# Altium PCB ir-24v-shit5-7-v2.PcbDoc (part 5 of 5)
Units mm, origin at the board's own origin, x right, y up, seen from the top; angles counter-clockwise.
Board outline 326.8 x 258 mm, 2 copper layers (Top Layer, Bottom Layer); 1008 components, 31 nets, 2786 pads, 0 vias.
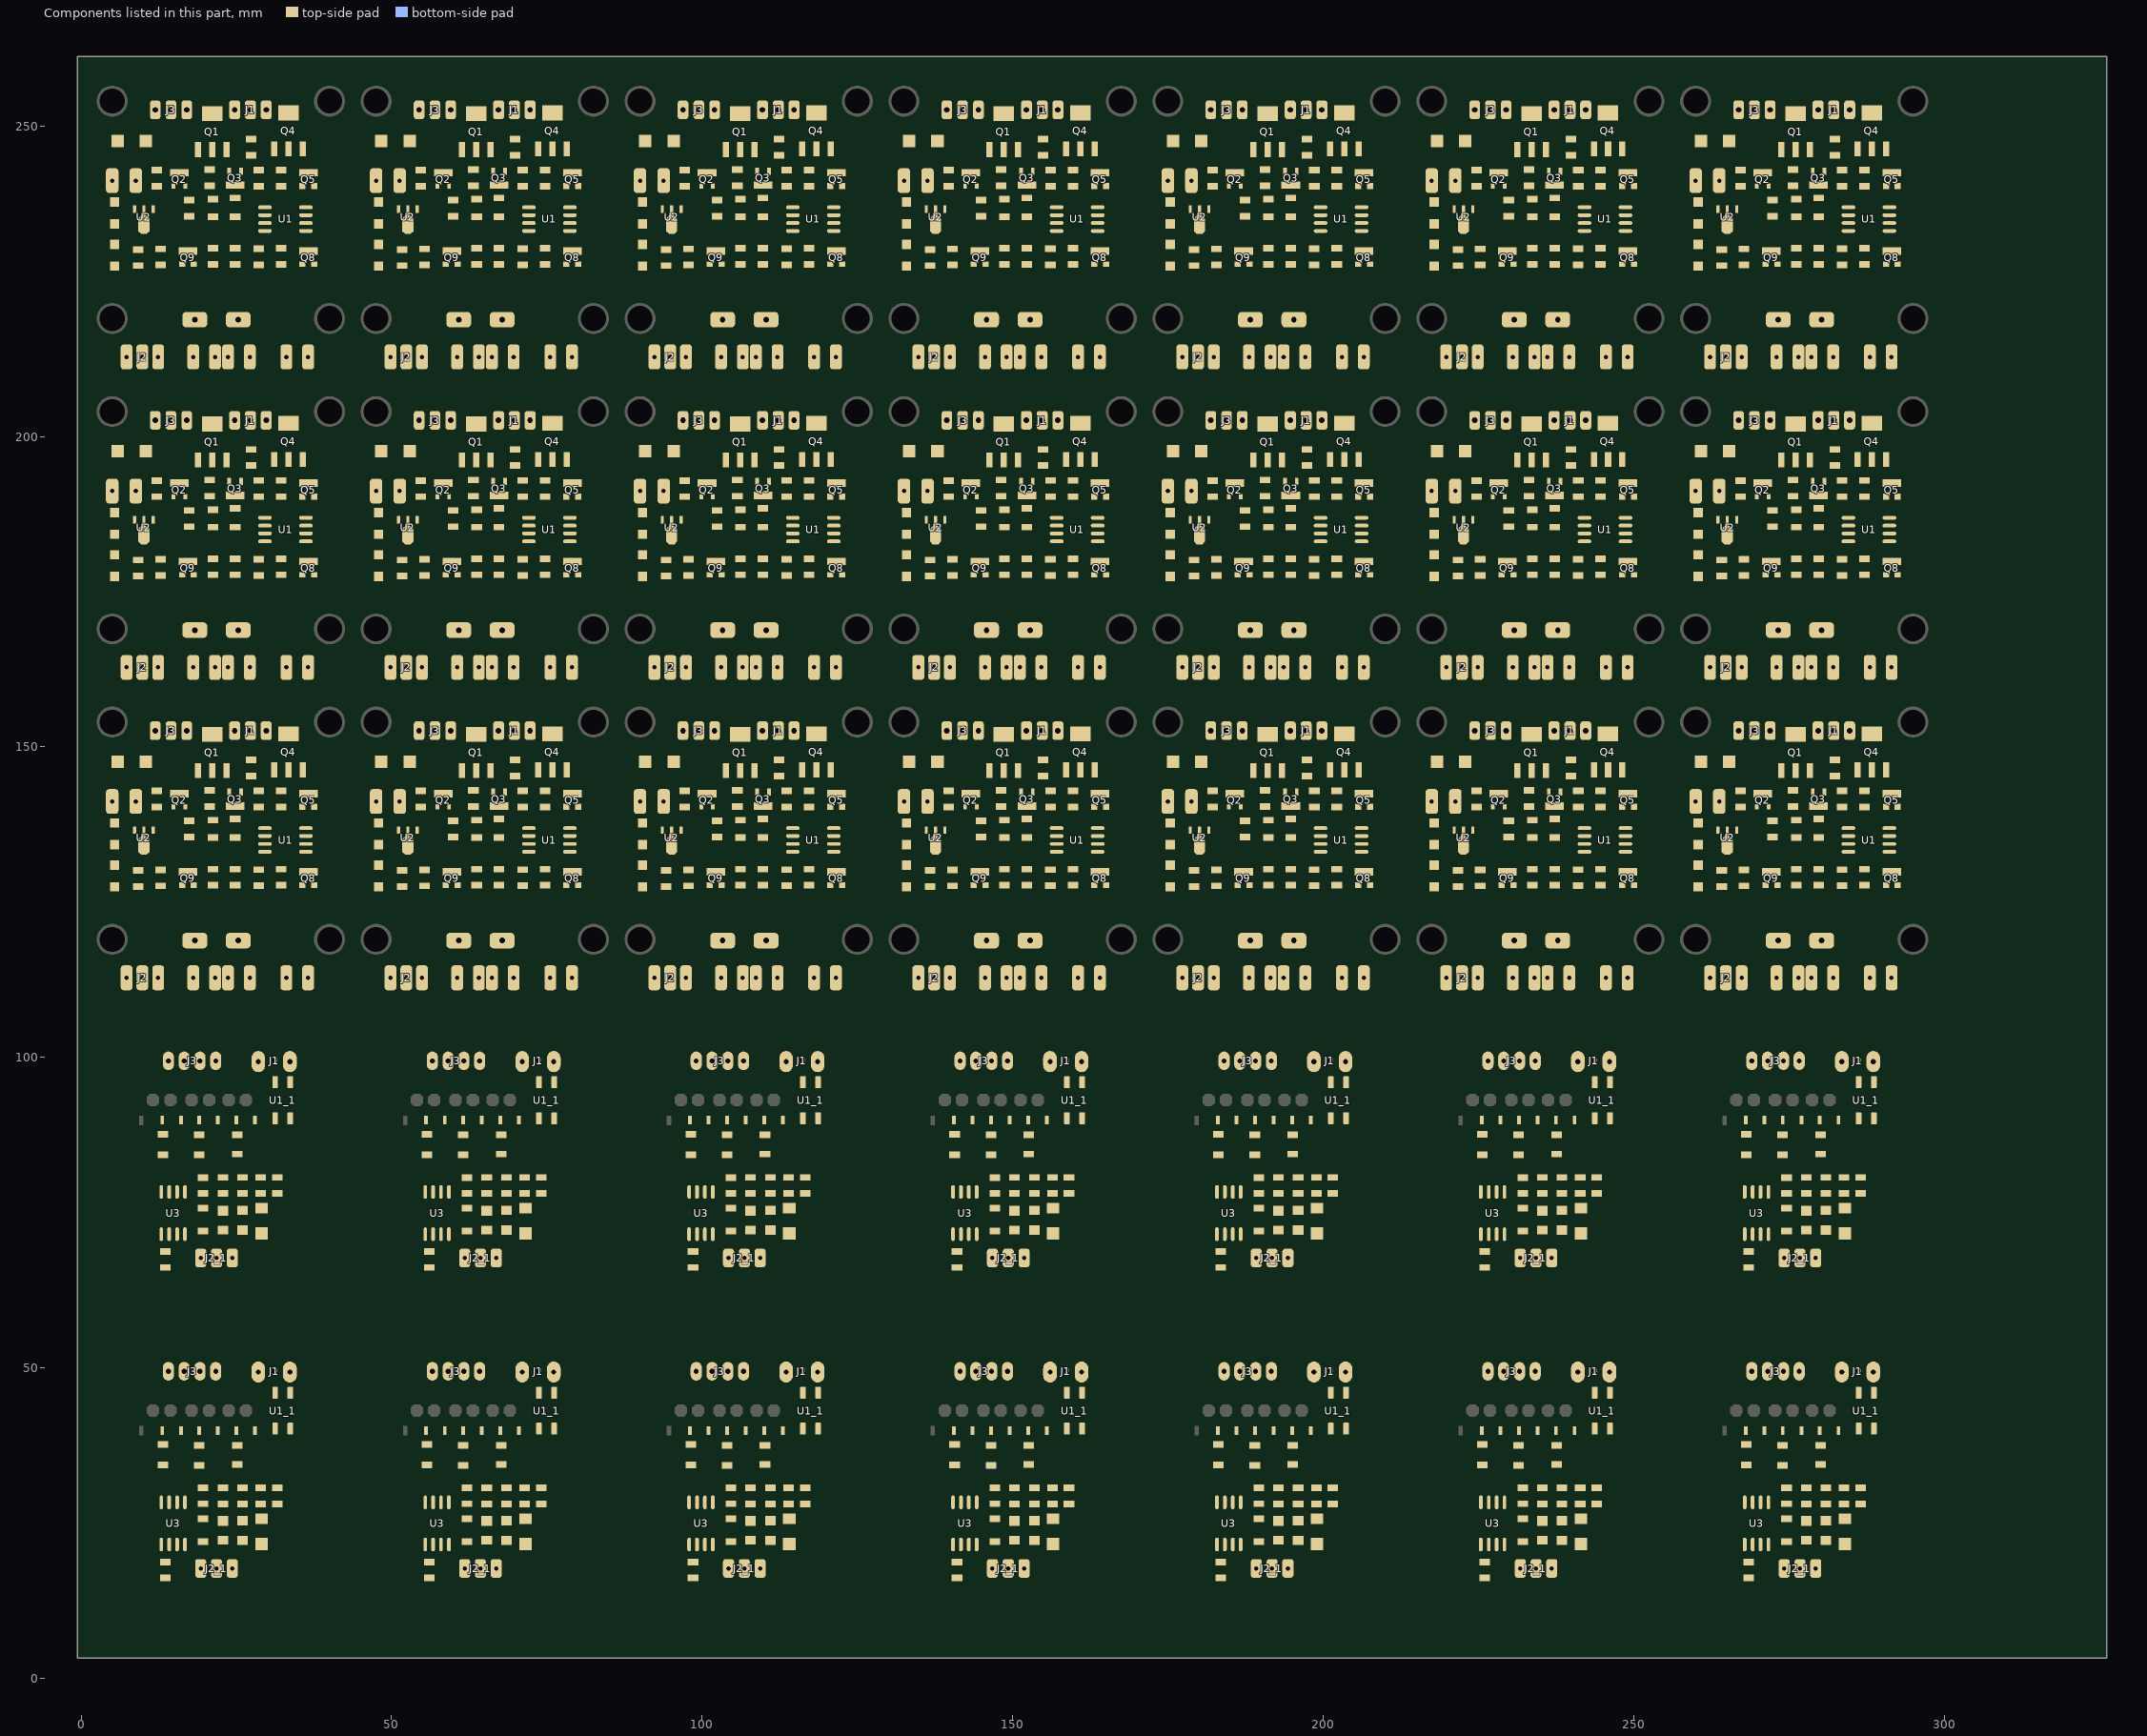
[diagram p5: the components of this part, seen from the top]

## Nets (pads, with @x,y where several pads share a name; then routed paths per layer and width w, separated by ;. In a path a pad name is that pad's centre, name@x,y a point inside that pad or via, vN(x,y) a via of type N, cw(c..) or ccw(c..) an arc to the next point about the centre after c; other vN are vias at no path point) (continued)
copper on no net: (continued)
  Top Layer w1: 9.352,35.963 9.352,28.602 9.352,15.648 10.241,14.759 21.798,14.759 ; 9.352,85.963 9.352,78.602 9.352,65.648 10.241,64.759 21.798,64.759 ; 17,151.54 17,149.861 17.586,149.276 25.476,149.276 26.905,150.705 26.905,152.245 27.26,152.6 ; 17,201.54 17,199.861 17.586,199.276 25.476,199.276 26.905,200.705 26.905,202.245 27.26,202.6 ; 17,251.54 17,249.861 17.586,249.276 25.476,249.276 26.905,250.705 26.905,252.245 27.26,252.6 ; 19.385,21.998 19.639,21.998 21.798,21.998 ; 19.385,71.998 19.639,71.998 21.798,71.998 ; 19.639,25.681 19.639,28.069 ; 19.639,30.634 19.964,30.634 19.989,30.659 22.814,30.659 25.989,30.659 28.91,30.659 31.196,30.659 ; 19.639,75.681 19.639,78.069 ; 19.639,80.634 19.964,80.634 19.989,80.659 22.814,80.659 25.989,80.659 28.91,80.659 31.196,80.659 ; 22.026,49.303 24.211,49.303 31.196,42.318 31.196,40.225 31.241,40.18 31.241,30.684 31.266,30.659 31.577,30.659 ; 22.026,99.303 24.211,99.303 31.196,92.318 31.196,90.225 31.241,90.18 31.241,80.684 31.266,80.659 31.577,80.659 ; 22.306,21.998 21.798,21.998 ; 22.306,71.998 21.798,71.998 ; 22.814,22.196 23.012,21.998 25.815,21.998 25.989,22.172 26.163,21.998 28.021,21.998 28.529,21.49 ; 22.814,25.3 22.84,25.326 25.963,25.326 25.989,25.352 28.454,25.352 28.783,25.681 ; 22.814,28.063 25.989,28.063 28.91,28.063 31.425,28.063 ; 22.814,72.196 23.012,71.998 25.815,71.998 25.989,72.172 26.163,71.998 28.021,71.998 28.529,71.49 ; 22.814,75.3 22.84,75.326 25.963,75.326 25.989,75.352 28.454,75.352 28.783,75.681 ; 22.814,78.063 25.989,78.063 28.91,78.063 31.425,78.063 ; 24.338,17.68 24.338,18.053 24.727,18.442 30.434,18.442 31.831,19.839 31.831,28.038 31.806,28.063 31.577,28.063 ; 24.338,67.68 24.338,68.053 24.727,68.442 30.434,68.442 31.831,69.839 31.831,78.038 31.806,78.063 31.577,78.063 ; 29.291,48.668 31.241,46.718 31.241,45.98 ; 29.291,98.668 31.241,96.718 31.241,95.98 ; 29.8,152.6 32.7,152.6 33.4,151.9 ; 29.8,202.6 32.7,202.6 33.4,201.9 ; 29.8,252.6 32.7,252.6 33.4,251.9 ; 33.691,45.98 33.736,46.025 33.736,48.668 ; 33.691,95.98 33.736,96.025 33.736,98.668 ; 33.736,39.725 34.244,39.217 34.244,15.648 33.355,14.759 21.798,14.759 ; 33.736,89.725 34.244,89.217 34.244,65.648 33.355,64.759 21.798,64.759 ; 51.852,35.963 51.852,28.602 51.852,15.648 52.741,14.759 64.298,14.759 ; 51.852,85.963 51.852,78.602 51.852,65.648 52.741,64.759 64.298,64.759 ; 59.5,151.54 59.5,149.861 60.086,149.276 67.976,149.276 69.405,150.705 69.405,152.245 69.76,152.6 ; 59.5,201.54 59.5,199.861 60.086,199.276 67.976,199.276 69.405,200.705 69.405,202.245 69.76,202.6 ; 59.5,251.54 59.5,249.861 60.086,249.276 67.976,249.276 69.405,250.705 69.405,252.245 69.76,252.6 ; 61.885,21.998 62.139,21.998 64.298,21.998 ; 61.885,71.998 62.139,71.998 64.298,71.998 ; 62.139,25.681 62.139,28.069 ; 62.139,30.634 62.464,30.634 62.489,30.659 65.314,30.659 68.489,30.659 71.41,30.659 73.696,30.659 ; 62.139,75.681 62.139,78.069 ; 62.139,80.634 62.464,80.634 62.489,80.659 65.314,80.659 68.489,80.659 71.41,80.659 73.696,80.659 ; 64.526,49.303 66.711,49.303 73.696,42.318 73.696,40.225 73.741,40.18 73.741,30.684 73.766,30.659 74.077,30.659 ; 64.526,99.303 66.711,99.303 73.696,92.318 73.696,90.225 73.741,90.18 73.741,80.684 73.766,80.659 74.077,80.659 ; 64.806,21.998 64.298,21.998 ; 64.806,71.998 64.298,71.998 ; 65.314,22.196 65.512,21.998 68.315,21.998 68.489,22.172 68.663,21.998 70.521,21.998 71.029,21.49 ; 65.314,25.3 65.34,25.326 68.463,25.326 68.489,25.352 70.954,25.352 71.283,25.681 ; 65.314,28.063 68.489,28.063 71.41,28.063 73.925,28.063 ; 65.314,72.196 65.512,71.998 68.315,71.998 68.489,72.172 68.663,71.998 70.521,71.998 71.029,71.49 ; 65.314,75.3 65.34,75.326 68.463,75.326 68.489,75.352 70.954,75.352 71.283,75.681 ; 65.314,78.063 68.489,78.063 71.41,78.063 73.925,78.063 ; 66.838,17.68 66.838,18.053 67.227,18.442 72.934,18.442 74.331,19.839 74.331,28.038 74.306,28.063 74.077,28.063 ; 66.838,67.68 66.838,68.053 67.227,68.442 72.934,68.442 74.331,69.839 74.331,78.038 74.306,78.063 74.077,78.063 ; 71.791,48.668 73.741,46.718 73.741,45.98 ; 71.791,98.668 73.741,96.718 73.741,95.98 ; 72.3,152.6 75.2,152.6 75.9,151.9 ; 72.3,202.6 75.2,202.6 75.9,201.9 ; 72.3,252.6 75.2,252.6 75.9,251.9 ; 76.191,45.98 76.236,46.025 76.236,48.668 ; 76.191,95.98 76.236,96.025 76.236,98.668 ; 76.236,39.725 76.744,39.217 76.744,15.648 75.855,14.759 64.298,14.759 ; 76.236,89.725 76.744,89.217 76.744,65.648 75.855,64.759 64.298,64.759 ; 94.352,35.963 94.352,28.602 94.352,15.648 95.241,14.759 106.798,14.759 ; 94.352,85.963 94.352,78.602 94.352,65.648 95.241,64.759 106.798,64.759 ; 102,151.54 102,149.861 102.586,149.276 110.476,149.276 111.905,150.705 111.905,152.245 112.26,152.6 ; 102,201.54 102,199.861 102.586,199.276 110.476,199.276 111.905,200.705 111.905,202.245 112.26,202.6 ; 102,251.54 102,249.861 102.586,249.276 110.476,249.276 111.905,250.705 111.905,252.245 112.26,252.6 ; 104.385,21.998 104.639,21.998 106.798,21.998 ; 104.385,71.998 104.639,71.998 106.798,71.998 ; 104.639,25.681 104.639,28.069 ; 104.639,30.634 104.964,30.634 104.989,30.659 107.814,30.659 110.989,30.659 113.91,30.659 116.196,30.659 ; 104.639,75.681 104.639,78.069 ; 104.639,80.634 104.964,80.634 104.989,80.659 107.814,80.659 110.989,80.659 113.91,80.659 116.196,80.659 ; 107.026,49.303 109.211,49.303 116.196,42.318 116.196,40.225 116.241,40.18 116.241,30.684 116.266,30.659 116.577,30.659 ; 107.026,99.303 109.211,99.303 116.196,92.318 116.196,90.225 116.241,90.18 116.241,80.684 116.266,80.659 116.577,80.659 ; 107.306,21.998 106.798,21.998 ; 107.306,71.998 106.798,71.998 ; 107.814,22.196 108.012,21.998 110.815,21.998 110.989,22.172 111.163,21.998 113.021,21.998 113.529,21.49 ; 107.814,25.3 107.84,25.326 110.963,25.326 110.989,25.352 113.454,25.352 113.783,25.681 ; 107.814,28.063 110.989,28.063 113.91,28.063 116.425,28.063 ; 107.814,72.196 108.012,71.998 110.815,71.998 110.989,72.172 111.163,71.998 113.021,71.998 113.529,71.49 ; 107.814,75.3 107.84,75.326 110.963,75.326 110.989,75.352 113.454,75.352 113.783,75.681 ; 107.814,78.063 110.989,78.063 113.91,78.063 116.425,78.063 ; 109.338,17.68 109.338,18.053 109.727,18.442 115.434,18.442 116.831,19.839 116.831,28.038 116.806,28.063 116.577,28.063 ; 109.338,67.68 109.338,68.053 109.727,68.442 115.434,68.442 116.831,69.839 116.831,78.038 116.806,78.063 116.577,78.063 ; 114.291,48.668 116.241,46.718 116.241,45.98 ; 114.291,98.668 116.241,96.718 116.241,95.98 ; 114.8,152.6 117.7,152.6 118.4,151.9 ; 114.8,202.6 117.7,202.6 118.4,201.9 ; 114.8,252.6 117.7,252.6 118.4,251.9 ; 118.691,45.98 118.736,46.025 118.736,48.668 ; 118.691,95.98 118.736,96.025 118.736,98.668 ; 118.736,39.725 119.244,39.217 119.244,15.648 118.355,14.759 106.798,14.759 ; 118.736,89.725 119.244,89.217 119.244,65.648 118.355,64.759 106.798,64.759 ; 136.852,35.963 136.852,28.602 136.852,15.648 137.741,14.759 149.298,14.759 ; 136.852,85.963 136.852,78.602 136.852,65.648 137.741,64.759 149.298,64.759 ; 144.5,151.54 144.5,149.861 145.086,149.276 152.976,149.276 154.405,150.705 154.405,152.245 154.76,152.6 ; 144.5,201.54 144.5,199.861 145.086,199.276 152.976,199.276 154.405,200.705 154.405,202.245 154.76,202.6 ; 144.5,251.54 144.5,249.861 145.086,249.276 152.976,249.276 154.405,250.705 154.405,252.245 154.76,252.6 ; 146.885,21.998 147.139,21.998 149.298,21.998 ; 146.885,71.998 147.139,71.998 149.298,71.998 ; 147.139,25.681 147.139,28.069 ; 147.139,30.634 147.464,30.634 147.489,30.659 150.314,30.659 153.489,30.659 156.41,30.659 158.696,30.659 ; 147.139,75.681 147.139,78.069 ; 147.139,80.634 147.464,80.634 147.489,80.659 150.314,80.659 153.489,80.659 156.41,80.659 158.696,80.659 ; 149.526,49.303 151.711,49.303 158.696,42.318 158.696,40.225 158.741,40.18 158.741,30.684 158.766,30.659 159.077,30.659 ; 149.526,99.303 151.711,99.303 158.696,92.318 158.696,90.225 158.741,90.18 158.741,80.684 158.766,80.659 159.077,80.659 ; 149.806,21.998 149.298,21.998 ; 149.806,71.998 149.298,71.998 ; 150.314,22.196 150.512,21.998 153.315,21.998 153.489,22.172 153.663,21.998 155.521,21.998 156.029,21.49 ; 150.314,25.3 150.34,25.326 153.463,25.326 153.489,25.352 155.954,25.352 156.283,25.681 ; 150.314,28.063 153.489,28.063 156.41,28.063 158.925,28.063 ; 150.314,72.196 150.512,71.998 153.315,71.998 153.489,72.172 153.663,71.998 155.521,71.998 156.029,71.49 ; 150.314,75.3 150.34,75.326 153.463,75.326 153.489,75.352 155.954,75.352 156.283,75.681 ; 150.314,78.063 153.489,78.063 156.41,78.063 158.925,78.063 ; 151.838,17.68 151.838,18.053 152.227,18.442 157.934,18.442 159.331,19.839 159.331,28.038 159.306,28.063 159.077,28.063 ; 151.838,67.68 151.838,68.053 152.227,68.442 157.934,68.442 159.331,69.839 159.331,78.038 159.306,78.063 159.077,78.063 ; 156.791,48.668 158.741,46.718 158.741,45.98 ; 156.791,98.668 158.741,96.718 158.741,95.98 ; 157.3,152.6 160.2,152.6 160.9,151.9 ; 157.3,202.6 160.2,202.6 160.9,201.9 ; 157.3,252.6 160.2,252.6 160.9,251.9 ; 161.191,45.98 161.236,46.025 161.236,48.668 ; 161.191,95.98 161.236,96.025 161.236,98.668 ; 161.236,39.725 161.744,39.217 161.744,15.648 160.855,14.759 149.298,14.759 ; 161.236,89.725 161.744,89.217 161.744,65.648 160.855,64.759 149.298,64.759 ; 179.352,35.963 179.352,28.602 179.352,15.648 180.241,14.759 191.798,14.759 ; 179.352,85.963 179.352,78.602 179.352,65.648 180.241,64.759 191.798,64.759 ; 187,151.54 187,149.861 187.586,149.276 195.476,149.276 196.905,150.705 196.905,152.245 197.26,152.6 ; 187,201.54 187,199.861 187.586,199.276 195.476,199.276 196.905,200.705 196.905,202.245 197.26,202.6 ; 187,251.54 187,249.861 187.586,249.276 195.476,249.276 196.905,250.705 196.905,252.245 197.26,252.6 ; 189.385,21.998 189.639,21.998 191.798,21.998 ; 189.385,71.998 189.639,71.998 191.798,71.998 ; 189.639,25.681 189.639,28.069 ; 189.639,30.634 189.964,30.634 189.989,30.659 192.814,30.659 195.989,30.659 198.91,30.659 201.196,30.659 ; 189.639,75.681 189.639,78.069 ; 189.639,80.634 189.964,80.634 189.989,80.659 192.814,80.659 195.989,80.659 198.91,80.659 201.196,80.659 ; 192.026,49.303 194.211,49.303 201.196,42.318 201.196,40.225 201.241,40.18 201.241,30.684 201.266,30.659 201.577,30.659 ; 192.026,99.303 194.211,99.303 201.196,92.318 201.196,90.225 201.241,90.18 201.241,80.684 201.266,80.659 201.577,80.659 ; 192.306,21.998 191.798,21.998 ; 192.306,71.998 191.798,71.998 ; 192.814,22.196 193.012,21.998 195.815,21.998 195.989,22.172 196.163,21.998 198.021,21.998 198.529,21.49 ; 192.814,25.3 192.84,25.326 195.963,25.326 195.989,25.352 198.454,25.352 198.783,25.681 ; 192.814,28.063 195.989,28.063 198.91,28.063 201.425,28.063 ; 192.814,72.196 193.012,71.998 195.815,71.998 195.989,72.172 196.163,71.998 198.021,71.998 198.529,71.49 ; 192.814,75.3 192.84,75.326 195.963,75.326 195.989,75.352 198.454,75.352 198.783,75.681 ; 192.814,78.063 195.989,78.063 198.91,78.063 201.425,78.063 ; 194.338,17.68 194.338,18.053 194.727,18.442 200.434,18.442 201.831,19.839 201.831,28.038 201.806,28.063 201.577,28.063 ; 194.338,67.68 194.338,68.053 194.727,68.442 200.434,68.442 201.831,69.839 201.831,78.038 201.806,78.063 201.577,78.063 ; 199.291,48.668 201.241,46.718 201.241,45.98 ; 199.291,98.668 201.241,96.718 201.241,95.98 ; 199.8,152.6 202.7,152.6 203.4,151.9 ; 199.8,202.6 202.7,202.6 203.4,201.9 ; 199.8,252.6 202.7,252.6 203.4,251.9 ; 203.691,45.98 203.736,46.025 203.736,48.668 ; 203.691,95.98 203.736,96.025 203.736,98.668 ; 203.736,39.725 204.244,39.217 204.244,15.648 203.355,14.759 191.798,14.759 ; 203.736,89.725 204.244,89.217 204.244,65.648 203.355,64.759 191.798,64.759 ; 221.852,35.963 221.852,28.602 221.852,15.648 222.741,14.759 234.298,14.759 ; 221.852,85.963 221.852,78.602 221.852,65.648 222.741,64.759 234.298,64.759 ; 229.5,151.54 229.5,149.861 230.086,149.276 237.976,149.276 239.405,150.705 239.405,152.245 239.76,152.6 ; 229.5,201.54 229.5,199.861 230.086,199.276 237.976,199.276 239.405,200.705 239.405,202.245 239.76,202.6 ; 229.5,251.54 229.5,249.861 230.086,249.276 237.976,249.276 239.405,250.705 239.405,252.245 239.76,252.6 ; 231.885,21.998 232.139,21.998 234.298,21.998 ; 231.885,71.998 232.139,71.998 234.298,71.998 ; 232.139,25.681 232.139,28.069 ; 232.139,30.634 232.464,30.634 232.489,30.659 235.314,30.659 238.489,30.659 241.41,30.659 243.696,30.659 ; 232.139,75.681 232.139,78.069 ; 232.139,80.634 232.464,80.634 232.489,80.659 235.314,80.659 238.489,80.659 241.41,80.659 243.696,80.659 ; 234.526,49.303 236.711,49.303 243.696,42.318 243.696,40.225 243.741,40.18 243.741,30.684 243.766,30.659 244.077,30.659 ; 234.526,99.303 236.711,99.303 243.696,92.318 243.696,90.225 243.741,90.18 243.741,80.684 243.766,80.659 244.077,80.659 ; 234.806,21.998 234.298,21.998 ; 234.806,71.998 234.298,71.998 ; 235.314,22.196 235.512,21.998 238.315,21.998 238.489,22.172 238.663,21.998 240.521,21.998 241.029,21.49 ; 235.314,25.3 235.34,25.326 238.463,25.326 238.489,25.352 240.954,25.352 241.283,25.681 ; 235.314,28.063 238.489,28.063 241.41,28.063 243.925,28.063 ; 235.314,72.196 235.512,71.998 238.315,71.998 238.489,72.172 238.663,71.998 240.521,71.998 241.029,71.49 ; 235.314,75.3 235.34,75.326 238.463,75.326 238.489,75.352 240.954,75.352 241.283,75.681 ; 235.314,78.063 238.489,78.063 241.41,78.063 243.925,78.063 ; 236.838,17.68 236.838,18.053 237.227,18.442 242.934,18.442 244.331,19.839 244.331,28.038 244.306,28.063 244.077,28.063 ; 236.838,67.68 236.838,68.053 237.227,68.442 242.934,68.442 244.331,69.839 244.331,78.038 244.306,78.063 244.077,78.063 ; 241.791,48.668 243.741,46.718 243.741,45.98 ; 241.791,98.668 243.741,96.718 243.741,95.98 ; 242.3,152.6 245.2,152.6 245.9,151.9 ; 242.3,202.6 245.2,202.6 245.9,201.9 ; 242.3,252.6 245.2,252.6 245.9,251.9 ; 246.191,45.98 246.236,46.025 246.236,48.668 ; 246.191,95.98 246.236,96.025 246.236,98.668 ; 246.236,39.725 246.744,39.217 246.744,15.648 245.855,14.759 234.298,14.759 ; 246.236,89.725 246.744,89.217 246.744,65.648 245.855,64.759 234.298,64.759 ; 264.352,35.963 264.352,28.602 264.352,15.648 265.241,14.759 276.798,14.759 ; 264.352,85.963 264.352,78.602 264.352,65.648 265.241,64.759 276.798,64.759 ; 272,151.54 272,149.861 272.586,149.276 280.476,149.276 281.905,150.705 281.905,152.245 282.26,152.6 ; 272,201.54 272,199.861 272.586,199.276 280.476,199.276 281.905,200.705 281.905,202.245 282.26,202.6 ; 272,251.54 272,249.861 272.586,249.276 280.476,249.276 281.905,250.705 281.905,252.245 282.26,252.6 ; 274.385,21.998 274.639,21.998 276.798,21.998 ; 274.385,71.998 274.639,71.998 276.798,71.998 ; 274.639,25.681 274.639,28.069 ; 274.639,30.634 274.964,30.634 274.989,30.659 277.814,30.659 280.989,30.659 283.91,30.659 286.196,30.659 ; 274.639,75.681 274.639,78.069 ; 274.639,80.634 274.964,80.634 274.989,80.659 277.814,80.659 280.989,80.659 283.91,80.659 286.196,80.659 ; 277.026,49.303 279.211,49.303 286.196,42.318 286.196,40.225 286.241,40.18 286.241,30.684 286.266,30.659 286.577,30.659 ; 277.026,99.303 279.211,99.303 286.196,92.318 286.196,90.225 286.241,90.18 286.241,80.684 286.266,80.659 286.577,80.659 ; 277.306,21.998 276.798,21.998 ; 277.306,71.998 276.798,71.998 ; 277.814,22.196 278.012,21.998 280.815,21.998 280.989,22.172 281.163,21.998 283.021,21.998 283.529,21.49 ; 277.814,25.3 277.84,25.326 280.963,25.326 280.989,25.352 283.454,25.352 283.783,25.681 ; 277.814,28.063 280.989,28.063 283.91,28.063 286.425,28.063 ; 277.814,72.196 278.012,71.998 280.815,71.998 280.989,72.172 281.163,71.998 283.021,71.998 283.529,71.49 ; 277.814,75.3 277.84,75.326 280.963,75.326 280.989,75.352 283.454,75.352 283.783,75.681 ; 277.814,78.063 280.989,78.063 283.91,78.063 286.425,78.063 ; 279.338,17.68 279.338,18.053 279.727,18.442 285.434,18.442 286.831,19.839 286.831,28.038 286.806,28.063 286.577,28.063 ; 279.338,67.68 279.338,68.053 279.727,68.442 285.434,68.442 286.831,69.839 286.831,78.038 286.806,78.063 286.577,78.063 ; 284.291,48.668 286.241,46.718 286.241,45.98 ; 284.291,98.668 286.241,96.718 286.241,95.98 ; 284.8,152.6 287.7,152.6 288.4,151.9 ; 284.8,202.6 287.7,202.6 288.4,201.9 ; 284.8,252.6 287.7,252.6 288.4,251.9 ; 288.691,45.98 288.736,46.025 288.736,48.668 ; 288.691,95.98 288.736,96.025 288.736,98.668 ; 288.736,39.725 289.244,39.217 289.244,15.648 288.355,14.759 276.798,14.759 ; 288.736,89.725 289.244,89.217 289.244,65.648 288.355,64.759 276.798,64.759 ; 21.798,14.759 21.798,17.68 21.798,21.998 ; 21.798,64.759 21.798,67.68 21.798,71.998 ; 64.298,14.759 64.298,17.68 64.298,21.998 ; 64.298,64.759 64.298,67.68 64.298,71.998 ; 106.798,14.759 106.798,17.68 106.798,21.998 ; 106.798,64.759 106.798,67.68 106.798,71.998 ; 149.298,14.759 149.298,17.68 149.298,21.998 ; 149.298,64.759 149.298,67.68 149.298,71.998 ; 191.798,14.759 191.798,17.68 191.798,21.998 ; 191.798,64.759 191.798,67.68 191.798,71.998 ; 234.298,14.759 234.298,17.68 234.298,21.998 ; 234.298,64.759 234.298,67.68 234.298,71.998 ; 276.798,14.759 276.798,17.68 276.798,21.998 ; 276.798,64.759 276.798,67.68 276.798,71.998
  Top Layer w1.8: 16.591,49.43 16.591,45.747 17.695,44.643 17.695,43.226 17.795,43.126 ; 16.591,99.43 16.591,95.747 17.695,94.643 17.695,93.226 17.795,93.126 ; 18.496,43.461 20.254,43.461 20.589,43.126 ; 18.496,93.461 20.254,93.461 20.589,93.126 ; 19.131,49.43 19.131,47.525 20.655,46.001 22.71,46.001 23.764,44.947 23.764,43.126 ; 19.131,99.43 19.131,97.525 20.655,96.001 22.71,96.001 23.764,94.947 23.764,93.126 ; 23.864,43.226 26.458,43.226 26.558,43.126 ; 23.864,93.226 26.458,93.226 26.558,93.126 ; 59.091,49.43 59.091,45.747 60.195,44.643 60.195,43.226 60.295,43.126 ; 59.091,99.43 59.091,95.747 60.195,94.643 60.195,93.226 60.295,93.126 ; 60.996,43.461 62.754,43.461 63.089,43.126 ; 60.996,93.461 62.754,93.461 63.089,93.126 ; 61.631,49.43 61.631,47.525 63.155,46.001 65.21,46.001 66.264,44.947 66.264,43.126 ; 61.631,99.43 61.631,97.525 63.155,96.001 65.21,96.001 66.264,94.947 66.264,93.126 ; 66.364,43.226 68.958,43.226 69.058,43.126 ; 66.364,93.226 68.958,93.226 69.058,93.126 ; 101.591,49.43 101.591,45.747 102.695,44.643 102.695,43.226 102.795,43.126 ; 101.591,99.43 101.591,95.747 102.695,94.643 102.695,93.226 102.795,93.126 ; 103.496,43.461 105.254,43.461 105.589,43.126 ; 103.496,93.461 105.254,93.461 105.589,93.126 ; 104.131,49.43 104.131,47.525 105.655,46.001 107.71,46.001 108.764,44.947 108.764,43.126 ; 104.131,99.43 104.131,97.525 105.655,96.001 107.71,96.001 108.764,94.947 108.764,93.126 ; 108.864,43.226 111.458,43.226 111.558,43.126 ; 108.864,93.226 111.458,93.226 111.558,93.126 ; 144.091,49.43 144.091,45.747 145.195,44.643 145.195,43.226 145.295,43.126 ; 144.091,99.43 144.091,95.747 145.195,94.643 145.195,93.226 145.295,93.126 ; 145.996,43.461 147.754,43.461 148.089,43.126 ; 145.996,93.461 147.754,93.461 148.089,93.126 ; 146.631,49.43 146.631,47.525 148.155,46.001 150.21,46.001 151.264,44.947 151.264,43.126 ; 146.631,99.43 146.631,97.525 148.155,96.001 150.21,96.001 151.264,94.947 151.264,93.126 ; 151.364,43.226 153.958,43.226 154.058,43.126 ; 151.364,93.226 153.958,93.226 154.058,93.126 ; 186.591,49.43 186.591,45.747 187.695,44.643 187.695,43.226 187.795,43.126 ; 186.591,99.43 186.591,95.747 187.695,94.643 187.695,93.226 187.795,93.126 ; 188.496,43.461 190.254,43.461 190.589,43.126 ; 188.496,93.461 190.254,93.461 190.589,93.126 ; 189.131,49.43 189.131,47.525 190.655,46.001 192.71,46.001 193.764,44.947 193.764,43.126 ; 189.131,99.43 189.131,97.525 190.655,96.001 192.71,96.001 193.764,94.947 193.764,93.126 ; 193.864,43.226 196.458,43.226 196.558,43.126 ; 193.864,93.226 196.458,93.226 196.558,93.126 ; 229.091,49.43 229.091,45.747 230.195,44.643 230.195,43.226 230.295,43.126 ; 229.091,99.43 229.091,95.747 230.195,94.643 230.195,93.226 230.295,93.126 ; 230.996,43.461 232.754,43.461 233.089,43.126 ; 230.996,93.461 232.754,93.461 233.089,93.126 ; 231.631,49.43 231.631,47.525 233.155,46.001 235.21,46.001 236.264,44.947 236.264,43.126 ; 231.631,99.43 231.631,97.525 233.155,96.001 235.21,96.001 236.264,94.947 236.264,93.126 ; 236.364,43.226 238.958,43.226 239.058,43.126 ; 236.364,93.226 238.958,93.226 239.058,93.126 ; 271.591,49.43 271.591,45.747 272.695,44.643 272.695,43.226 272.795,43.126 ; 271.591,99.43 271.591,95.747 272.695,94.643 272.695,93.226 272.795,93.126 ; 273.496,43.461 275.254,43.461 275.589,43.126 ; 273.496,93.461 275.254,93.461 275.589,93.126 ; 274.131,49.43 274.131,47.525 275.655,46.001 277.71,46.001 278.764,44.947 278.764,43.126 ; 274.131,99.43 274.131,97.525 275.655,96.001 277.71,96.001 278.764,94.947 278.764,93.126 ; 278.864,43.226 281.458,43.226 281.558,43.126 ; 278.864,93.226 281.458,93.226 281.558,93.126
  Top Layer w2: 13.416,47.547 13.416,44.604 14.366,43.654 14.366,43.126 ; 13.416,97.547 13.416,94.604 14.366,93.654 14.366,93.126 ; 55.916,47.547 55.916,44.604 56.866,43.654 56.866,43.126 ; 55.916,97.547 55.916,94.604 56.866,93.654 56.866,93.126 ; 98.416,47.547 98.416,44.604 99.366,43.654 99.366,43.126 ; 98.416,97.547 98.416,94.604 99.366,93.654 99.366,93.126 ; 140.916,47.547 140.916,44.604 141.866,43.654 141.866,43.126 ; 140.916,97.547 140.916,94.604 141.866,93.654 141.866,93.126 ; 183.416,47.547 183.416,44.604 184.366,43.654 184.366,43.126 ; 183.416,97.547 183.416,94.604 184.366,93.654 184.366,93.126 ; 225.916,47.547 225.916,44.604 226.866,43.654 226.866,43.126 ; 225.916,97.547 225.916,94.604 226.866,93.654 226.866,93.126 ; 268.416,47.547 268.416,44.604 269.366,43.654 269.366,43.126 ; 268.416,97.547 268.416,94.604 269.366,93.654 269.366,93.126

## Polygon pours and split planes (outlines as drawn)
GND on Top Layer "NONET_L01_P024" (hatched 90Degree grid 0.5 track 0.2, shelved, pour order 24): 75.946,71.374 115.697,71.374 115.57,71.247 115.57,9.779 76.073,9.779

## Keep-outs
Keep-Out Layer:
  lines w0.7: 0,-0.381 0,85 150,85 150,0 0,0

## Other copper
Top Layer:
  drawing of 343 lines, arcs and shapes, not listed

## Silkscreen, mask and mechanical layers (free items; w line width, h text height)
Top Overlay:
  drawing of 574 lines, arcs and shapes, not listed
  text "56" at 19.654,248.254 h1.52
  text "53" at 32.054,248.254 h1.52
  text "56" at 62.154,248.254 h1.52
  text "53" at 74.554,248.254 h1.52
  text "56" at 104.654,248.254 h1.52
  text "53" at 117.054,248.254 h1.52
  text "56" at 147.154,248.254 h1.52
  text "53" at 159.554,248.254 h1.52
  text "56" at 189.654,248.254 h1.52
  text "53" at 202.054,248.254 h1.52
  text "56" at 232.154,248.254 h1.52
  text "53" at 244.554,248.254 h1.52
  text "56" at 274.654,248.254 h1.52
  text "53" at 287.054,248.254 h1.52
  text "56" at 19.654,198.254 h1.52
  text "53" at 32.054,198.254 h1.52
  text "56" at 62.154,198.254 h1.52
  text "53" at 74.554,198.254 h1.52
  text "56" at 104.654,198.254 h1.52
  text "53" at 117.054,198.254 h1.52
  text "56" at 147.154,198.254 h1.52
  text "53" at 159.554,198.254 h1.52
  text "56" at 189.654,198.254 h1.52
  text "53" at 202.054,198.254 h1.52
  text "56" at 232.154,198.254 h1.52
  text "53" at 244.554,198.254 h1.52
  text "56" at 274.654,198.254 h1.52
  text "53" at 287.054,198.254 h1.52
  text "56" at 19.654,148.254 h1.52
  text "53" at 32.054,148.254 h1.52
  text "56" at 62.154,148.254 h1.52
  text "53" at 74.554,148.254 h1.52
  text "56" at 104.654,148.254 h1.52
  text "53" at 117.054,148.254 h1.52
  text "56" at 147.154,148.254 h1.52
  text "53" at 159.554,148.254 h1.52
  text "56" at 189.654,148.254 h1.52
  text "53" at 202.054,148.254 h1.52
  text "56" at 232.154,148.254 h1.52
  text "53" at 244.554,148.254 h1.52
  text "56" at 274.654,148.254 h1.52
  text "53" at 287.054,148.254 h1.52
Bottom Overlay:
  drawing of 2359 lines, arcs and shapes, not listed
  text "+24" at 12.2,249.6 h1.3 r90
  text "GND" at 14.786,249.6 h1.3 r90
  text "KEY" at 17.4,249.6 h1.3 r90
  text "+24" at 54.7,249.6 h1.3 r90
  text "GND" at 57.286,249.6 h1.3 r90
  text "KEY" at 59.9,249.6 h1.3 r90
  text "+24" at 97.2,249.6 h1.3 r90
  text "GND" at 99.786,249.6 h1.3 r90
  text "KEY" at 102.4,249.6 h1.3 r90
  text "+24" at 139.7,249.6 h1.3 r90
  text "GND" at 142.286,249.6 h1.3 r90
  text "KEY" at 144.9,249.6 h1.3 r90
  text "+24" at 182.2,249.6 h1.3 r90
  text "GND" at 184.786,249.6 h1.3 r90
  text "KEY" at 187.4,249.6 h1.3 r90
  text "+24" at 224.7,249.6 h1.3 r90
  text "GND" at 227.286,249.6 h1.3 r90
  text "KEY" at 229.9,249.6 h1.3 r90
  text "+24" at 267.2,249.6 h1.3 r90
  text "GND" at 269.786,249.6 h1.3 r90
  text "KEY" at 272.4,249.6 h1.3 r90
  text "- KEY+" at 29.4,246.4 h1.52
  text "- KEY+" at 71.9,246.4 h1.52
  text "- KEY+" at 114.4,246.4 h1.52
  text "- KEY+" at 156.9,246.4 h1.52
  text "- KEY+" at 199.4,246.4 h1.52
  text "- KEY+" at 241.9,246.4 h1.52
  text "- KEY+" at 284.4,246.4 h1.52
  text "+24" at 12.2,199.6 h1.3 r90
  text "GND" at 14.786,199.6 h1.3 r90
  text "KEY" at 17.4,199.6 h1.3 r90
  text "+24" at 54.7,199.6 h1.3 r90
  text "GND" at 57.286,199.6 h1.3 r90
  text "KEY" at 59.9,199.6 h1.3 r90
  text "+24" at 97.2,199.6 h1.3 r90
  text "GND" at 99.786,199.6 h1.3 r90
  text "KEY" at 102.4,199.6 h1.3 r90
  text "+24" at 139.7,199.6 h1.3 r90
  text "GND" at 142.286,199.6 h1.3 r90
  text "KEY" at 144.9,199.6 h1.3 r90
  text "+24" at 182.2,199.6 h1.3 r90
  text "GND" at 184.786,199.6 h1.3 r90
  text "KEY" at 187.4,199.6 h1.3 r90
  text "+24" at 224.7,199.6 h1.3 r90
  text "GND" at 227.286,199.6 h1.3 r90
  text "KEY" at 229.9,199.6 h1.3 r90
  text "+24" at 267.2,199.6 h1.3 r90
  text "GND" at 269.786,199.6 h1.3 r90
  text "KEY" at 272.4,199.6 h1.3 r90
  text "- KEY+" at 29.4,196.4 h1.52
  text "- KEY+" at 71.9,196.4 h1.52
  text "- KEY+" at 114.4,196.4 h1.52
  text "- KEY+" at 156.9,196.4 h1.52
  text "- KEY+" at 199.4,196.4 h1.52
  text "- KEY+" at 241.9,196.4 h1.52
  text "- KEY+" at 284.4,196.4 h1.52
  text "+24" at 12.2,149.6 h1.3 r90
  text "GND" at 14.786,149.6 h1.3 r90
  text "KEY" at 17.4,149.6 h1.3 r90
  text "+24" at 54.7,149.6 h1.3 r90
  text "GND" at 57.286,149.6 h1.3 r90
  text "KEY" at 59.9,149.6 h1.3 r90
  text "+24" at 97.2,149.6 h1.3 r90
  text "GND" at 99.786,149.6 h1.3 r90
  text "KEY" at 102.4,149.6 h1.3 r90
  text "+24" at 139.7,149.6 h1.3 r90
  text "GND" at 142.286,149.6 h1.3 r90
  text "KEY" at 144.9,149.6 h1.3 r90
  text "+24" at 182.2,149.6 h1.3 r90
  text "GND" at 184.786,149.6 h1.3 r90
  text "KEY" at 187.4,149.6 h1.3 r90
  text "+24" at 224.7,149.6 h1.3 r90
  text "GND" at 227.286,149.6 h1.3 r90
  text "KEY" at 229.9,149.6 h1.3 r90
  text "+24" at 267.2,149.6 h1.3 r90
  text "GND" at 269.786,149.6 h1.3 r90
  text "KEY" at 272.4,149.6 h1.3 r90
  text "- KEY+" at 29.4,146.4 h1.52
  text "- KEY+" at 71.9,146.4 h1.52
  text "- KEY+" at 114.4,146.4 h1.52
  text "- KEY+" at 156.9,146.4 h1.52
  text "- KEY+" at 199.4,146.4 h1.52
  text "- KEY+" at 241.9,146.4 h1.52
  text "- KEY+" at 284.4,146.4 h1.52
Bottom Solder:
  drawing of 154 lines, arcs and shapes, not listed
Mechanical 1:
  the board outline again, w0.2

## Text inside footprints (layer, text, board x,y; h text height)
Buzzer1: Bottom Overlay "+" at 281.061,120.07 h1.52
Buzzer1: Bottom Overlay "+" at 281.061,170.07 h1.52
Buzzer1: Bottom Overlay "+" at 281.061,220.07 h1.52
Buzzer1: Bottom Overlay "+" at 238.561,120.07 h1.52
Buzzer1: Bottom Overlay "+" at 238.561,170.07 h1.52
Buzzer1: Bottom Overlay "+" at 238.561,220.07 h1.52
Buzzer1: Bottom Overlay "+" at 196.061,120.07 h1.52
Buzzer1: Bottom Overlay "+" at 196.061,170.07 h1.52
Buzzer1: Bottom Overlay "+" at 196.061,220.07 h1.52
Buzzer1: Bottom Overlay "+" at 153.561,120.07 h1.52
Buzzer1: Bottom Overlay "+" at 153.561,170.07 h1.52
Buzzer1: Bottom Overlay "+" at 153.561,220.07 h1.52
Buzzer1: Bottom Overlay "+" at 111.061,120.07 h1.52
Buzzer1: Bottom Overlay "+" at 111.061,170.07 h1.52
Buzzer1: Bottom Overlay "+" at 111.061,220.07 h1.52
Buzzer1: Bottom Overlay "+" at 68.561,120.07 h1.52
Buzzer1: Bottom Overlay "+" at 68.561,170.07 h1.52
Buzzer1: Bottom Overlay "+" at 68.561,220.07 h1.52
Buzzer1: Bottom Overlay "+" at 26.061,120.07 h1.52
Buzzer1: Bottom Overlay "+" at 26.061,170.07 h1.52
Buzzer1: Bottom Overlay "+" at 26.061,220.07 h1.52
U1_1: Top Overlay "-" at 33.866,91.68 h0.81 r90; Top Overlay "+" at 31.576,91.681 h0.81 r90
U1_1: Top Overlay "-" at 76.366,91.68 h0.81 r90; Top Overlay "+" at 74.076,91.681 h0.81 r90
U1_1: Top Overlay "-" at 118.866,91.68 h0.81 r90; Top Overlay "+" at 116.576,91.681 h0.81 r90
U1_1: Top Overlay "-" at 161.366,91.68 h0.81 r90; Top Overlay "+" at 159.076,91.681 h0.81 r90
U1_1: Top Overlay "-" at 203.866,91.68 h0.81 r90; Top Overlay "+" at 201.576,91.681 h0.81 r90
U1_1: Top Overlay "-" at 246.366,91.68 h0.81 r90; Top Overlay "+" at 244.076,91.681 h0.81 r90
U1_1: Top Overlay "-" at 288.866,91.68 h0.81 r90; Top Overlay "+" at 286.576,91.681 h0.81 r90
U1_1: Top Overlay "-" at 33.866,41.68 h0.81 r90; Top Overlay "+" at 31.576,41.681 h0.81 r90
U1_1: Top Overlay "-" at 76.366,41.68 h0.81 r90; Top Overlay "+" at 74.076,41.681 h0.81 r90
U1_1: Top Overlay "-" at 118.866,41.68 h0.81 r90; Top Overlay "+" at 116.576,41.681 h0.81 r90
U1_1: Top Overlay "-" at 161.366,41.68 h0.81 r90; Top Overlay "+" at 159.076,41.681 h0.81 r90
U1_1: Top Overlay "-" at 203.866,41.68 h0.81 r90; Top Overlay "+" at 201.576,41.681 h0.81 r90
U1_1: Top Overlay "-" at 246.366,41.68 h0.81 r90; Top Overlay "+" at 244.076,41.681 h0.81 r90
U1_1: Top Overlay "-" at 288.866,41.68 h0.81 r90; Top Overlay "+" at 286.576,41.681 h0.81 r90